# Altium PCB AutoinformerPCB.PcbDoc (part 1 of 2) (continued)
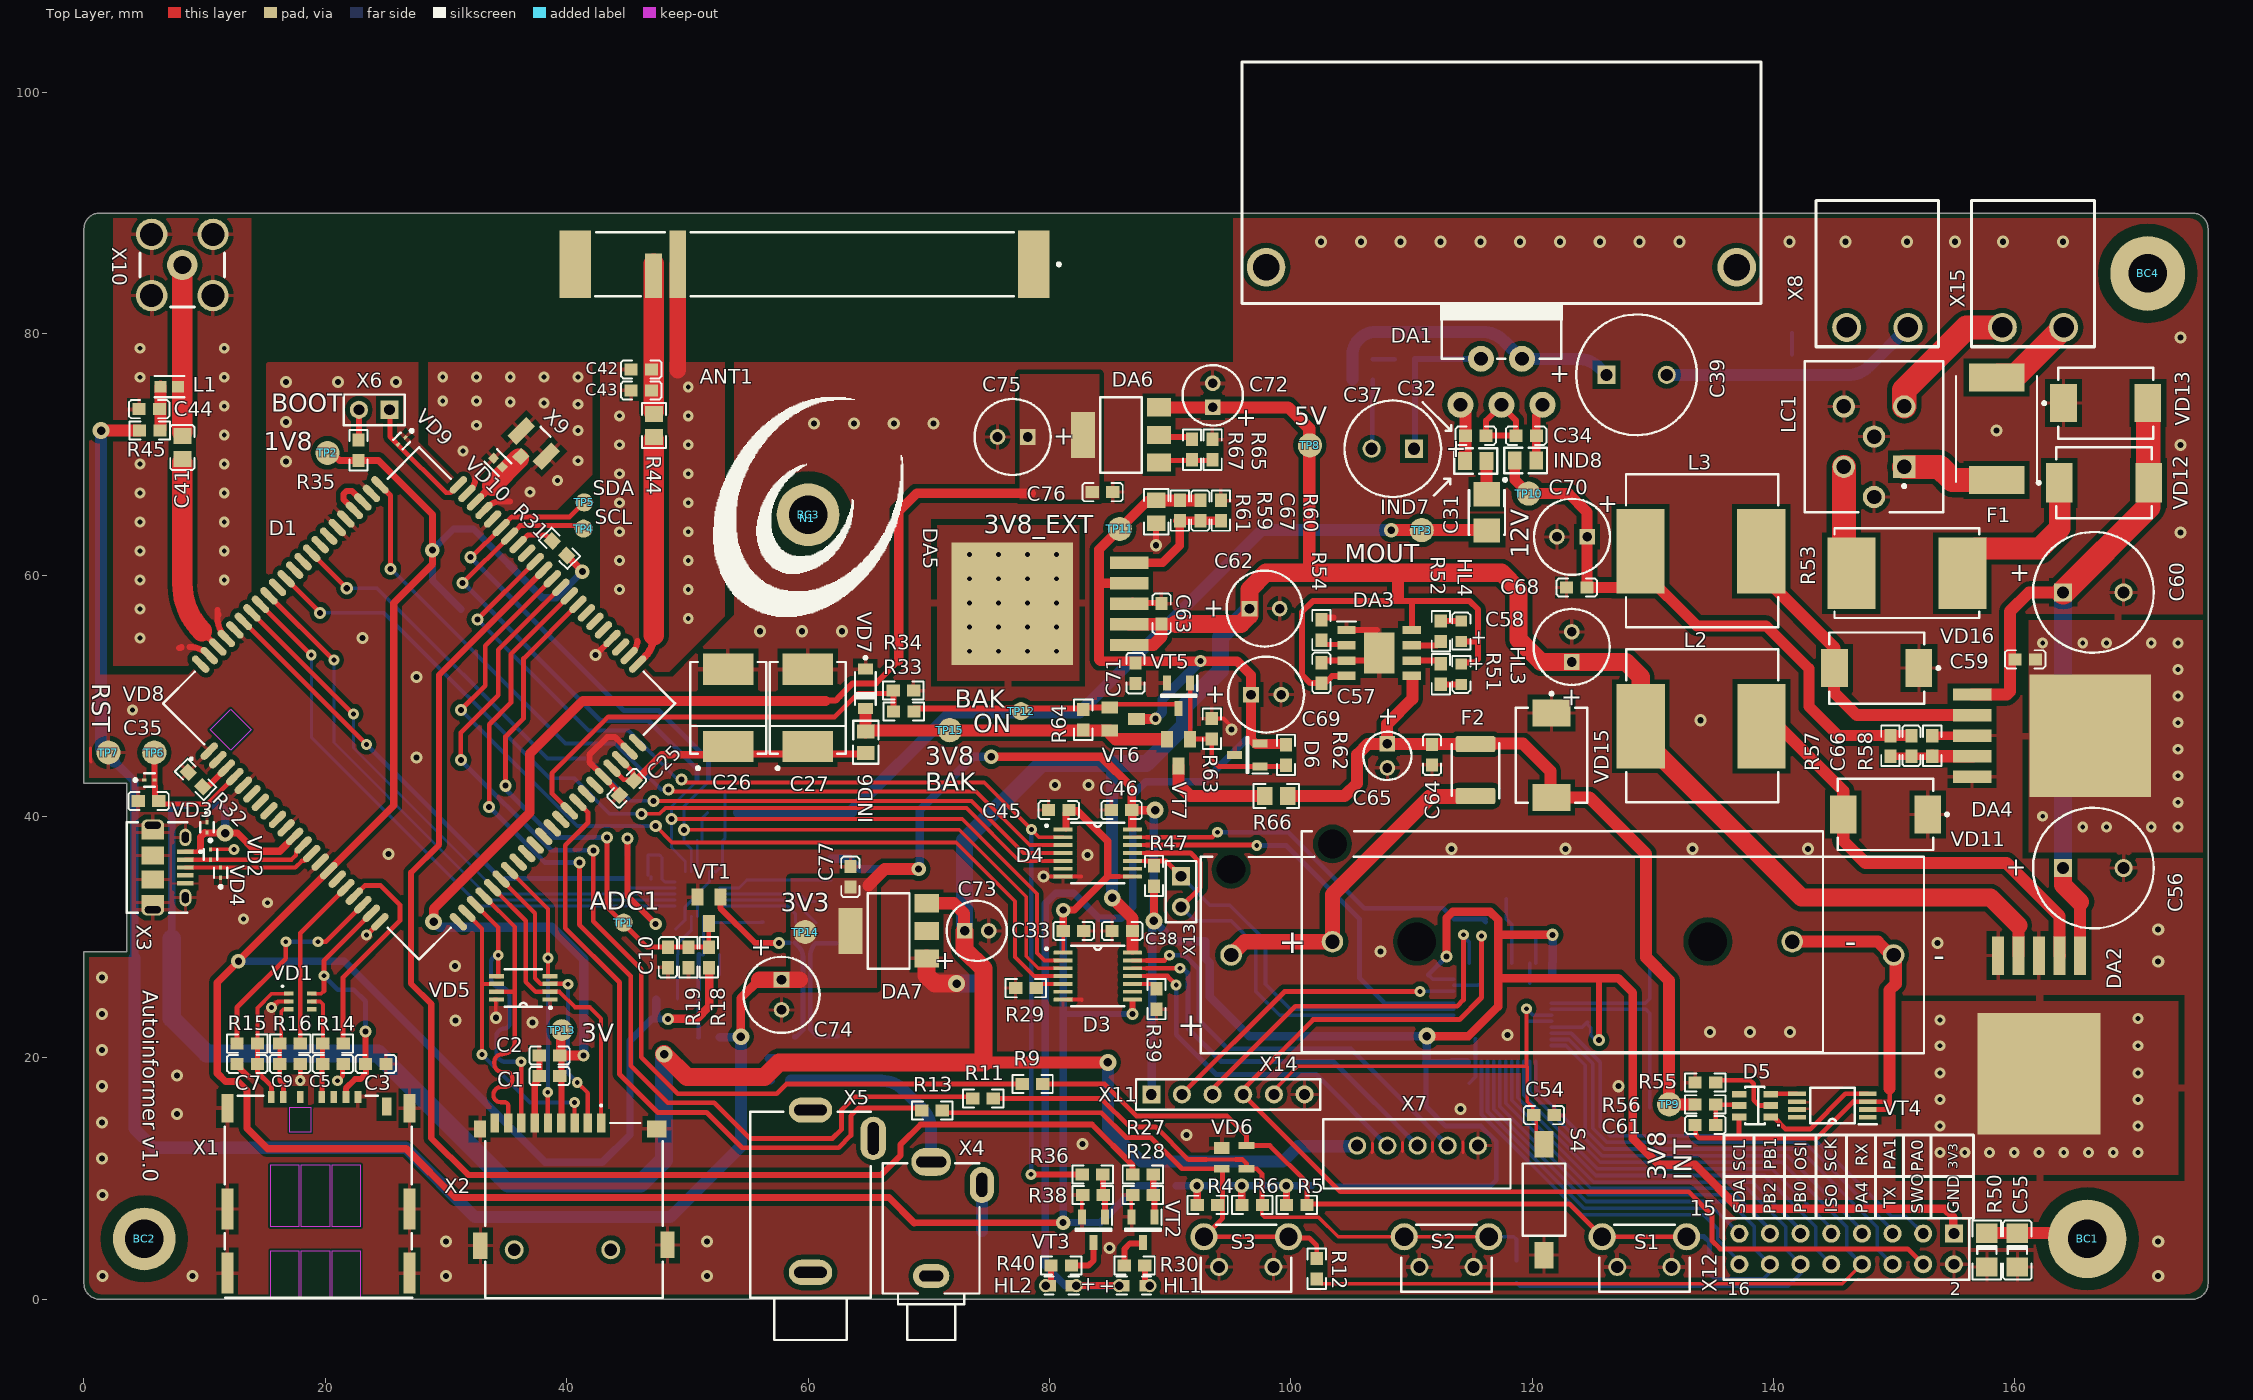
[diagram p0: Top Layer view]
## Components (designator, comment, footprint, x,y, rotation, side; value= is the part's Value field where it differs from the comment) (continued)
X8 "2EDGR-5.08-02P" 2EDGR-5.08-02P 148.6,80.525 r0 top
X9 "U_FL-R-SMT-1_10" HIROSE_0_MFG 37.275,70.9 r135 top
X10 "KLS1-SMA002-B" "SMA-FEMALE-RA - L-KLS1-SMA002-B" 8.15,85.7 r0 top
X11 "DS1021_1x6" PLD1X6 88.44,16.975 r0 top
X12 "DS1021_2x8" PLD2X8 154.94,5.44 r180 top
X13 "DS1021_1x2" PLD2 90.9,33.775 r270 top
X14 "Keystone 1029 [1028]" BAT_keystone1028+1029 122.5,28.525 r0 top
X15 "2EDGR-5.08-02P" 2EDGR-5.08-02P 161.5,80.525 r0 top
Y1 "HC49SM-8MHz" HC49SM 129.75,24.4 r90 bottom

## Footprints (in the part's own frame and the unit in brackets; to place one, negate y for a bottom-side part, rotate by r counter-clockwise, add the part's x,y. Pads: shape width x height; smd on the part's side, far side on the other; paste and mask are expansions set on the pad)
2EDGR-5.08-02P [mm]
  round 2.4 hole 1.7: 1(-2.54,0) 2(2.54,0)
  silkscreen extent -5.08,-1.6 5.08,10.5, body extent -5.08,-1.6 5.08,10.5, height 8.1
112JTDARR [mm]
  rect 0.7x1.6 smd: 1(2.25,0) 2(1.15,0) 3(0.05,0) 4(-1.05,0) 5(-2.15,0) 6(-3.25,0) 7(-4.35,0) 8(-5.45,0) 9(-6.55,0)
  rect 1x1.4 smd: 10(-7.8,-0.5)
  rect 1.2x2.2 smd: 11(-7.75,-10.16) 12(7.75,-10.1)
  rect 1.6x1.4 smd: 13(6.85,-0.5)
  round 1.575 hole 1.05: 14(-4.95,-10.5) 15(3.05,-10.5)
  silkscreen extent -7.35,-14.5 7.35,1.5, body extent -8.05,-14.5 8.05,0.5, height 1.85
1437566-3 [mm]
  rect 2.18x1.6 smd: 1(-4.6,0) 2(4.6,0)
  silkscreen extent -3,-1.75 3,1.75, body extent -5.54,-1.75 5.54,1.75, height 4.87
BAT_keystone1028+1029 [mm]
  round 0 hole 2.39 unplated mask+0.102: MH(-27.45,7.1) MH(-19.05,9.2)
  round 0 hole 3.2 unplated mask+0.102: MH(-12.05,1.1) MH(12.05,1.1)
  round 1.785 hole 1.19: NEG(19.05,1.1) NEG(27.45,0) POS(-27.45,0) POS(-19.05,1.1)
  silkscreen extent -29.97,-8.13 29.97,10.25, body extent -29.97,-8.13 29.97,10.29, height 18.2
BLM21PG221_0805 [mm]
  rect 1.14x1.47 smd: 1(-0.89,0) 2(0.89,0)
  silkscreen extent -1.78,-1.06 1.78,1.05, body extent -1.1,-0.72 1.11,0.72, height 1.04
body_connection_1#1 [mm]
  round 6.5 hole 3.2: 1(-0.025,-0.025)
body_connection_1#2 [mm]
  round 5.2 hole 3.2: 1(22.288,-14.353)
body_connection_1#3 [mm]
  round 5.2 hole 3.2: 1(84.963,45.647)
body_connection_1#4 [mm]
  round 6.2 hole 3.2: 1(203.664,65.647)
C_SMD0603 [mm]
  rect 1.1x1 smd: 1(-0.85,0) 2(0.85,0)
  silkscreen extent -1.68,-0.75 1.68,0.75, body extent -0.85,-0.45 0.85,0.45, height 0.9
C_SMD0805 [mm]
  rect 1.3x1.5 smd: 1(-0.95,0) 2(0.95,0)
  silkscreen extent -1.87,-1 1.88,1, body extent -1.05,-0.67 1.05,0.68, height 0.75
C_SMD1206 [mm]
  rect 1.6x1.8 smd: 1(-1.4,0) 2(1.4,0)
  silkscreen extent -2.45,-1.17 2.45,1.17, body extent -1.67,-0.87 1.68,0.88, height 1
"DO214AB SMC" [mm]
  rect 2.2x3.15 smd: 1(-3.5,0) 2(3.5,0)
  silkscreen extent -5.23,-2.95 3.95,2.95, body extent -4.06,-3.15 4.06,3.15, height 2.62
DS1069-5M [mm]
  round 1.5 hole 1: 1(-5,0) 2(-2.5,0) 3(0,0) 4(2.5,0) 5(5,0)
  silkscreen extent -7.7,-2.2 7.8,3.55, body extent -7.45,-2.2 7.55,3.55, height 7
ESD9L5_514AB [mm]
  rect 0.36x0.25 smd paste+0 mask+0: 1(-0.42,0) 2(0.42,0)
  silkscreen extent -1.3,-0.55 0.43,0.55, body extent -0.7,-0.43 0.7,0.43, height 0.25
FUSM8867X300N [mm]
  rect 2.3x4.6 smd: 1(-4.25,0) 2(4.25,0)
  silkscreen extent -4.38,-3.35 4.38,3.35, body extent -4.38,-3.35 4.37,3.36, height 2.99
FUSSC324X455X62L [mm]
  rrect25% 1.34x3.29 smd: 1(-2.15,0) 2(2.15,0)
  silkscreen extent -2.21,-1.95 2.35,1.96, body extent -2.27,-1.62 2.27,1.62, height 1.25
HC49SM [mm]
  rect 5.5x2 smd: 1(-4.75,0) 2(4.75,0)
  silkscreen extent -5.85,-2.5 5.85,2.5, body extent -6.2,-2.35 6.2,2.35, height 3.8
HIROSE_0_MFG [mm]
  rect 1x1.05 smd paste-1000 mask+0: 1(0,1.525)
  rect 1.05x2.2 smd paste-1000 mask+0: 2(-1.475,0) 3(1.475,0)
  silkscreen extent -0.58,-1.38 0.58,-1.38, body extent -2.1,-1.47 2.1,2.15, height 0.25
IC_SIM7600E-H [mm]
  oval 1.8x0.6 smd: 1(-15.1,9.5) 2(-15.1,8.5) 3(-15.1,7.5) 4(-15.1,6.5) 5(-15.1,5.5) 6(-15.1,4.5) 7(-15.1,3.5) 8(-15.1,2.5) 9(-15.1,1.5) 10(-15.1,0.5) 11(-15.1,-0.5) 12(-15.1,-1.5) 13(-15.1,-2.5) 14(-15.1,-3.5) 15(-15.1,-4.5) 16(-15.1,-5.5) 17(-15.1,-6.5) 18(-15.1,-7.5) 19(-15.1,-8.5) 20(-15.1,-9.5) 41(15.1,-9.5) 42(15.1,-8.5) 43(15.1,-7.5) 44(15.1,-6.5) 45(15.1,-5.5) 46(15.1,-4.5) 47(15.1,-3.5) 48(15.1,-2.5) 49(15.1,-1.5) 50(15.1,-0.5) 51(15.1,0.5) 52(15.1,1.5) 53(15.1,2.5) 54(15.1,3.5) 55(15.1,4.5) 56(15.1,5.5) 57(15.1,6.5) 58(15.1,7.5) 59(15.1,8.5) 60(15.1,9.5) 81(-15.1,-10.5) 82(15.1,-10.5) 85(15.1,10.5)
  oval 0.6x1.8 smd: 21(-9.5,-15.1) 22(-8.5,-15.1) 23(-7.5,-15.1) 24(-6.5,-15.1) 25(-5.5,-15.1) 26(-4.5,-15.1) 27(-3.5,-15.1) 28(-2.5,-15.1) 29(-1.5,-15.1) 30(-0.5,-15.1) 31(0.5,-15.1) 32(1.5,-15.1) 33(2.5,-15.1) 34(3.5,-15.1) 35(4.5,-15.1) 36(5.5,-15.1) 37(6.5,-15.1) 38(7.5,-15.1) 39(8.5,-15.1) 40(9.5,-15.1) 61(9.5,15.1) 62(8.5,15.1) 63(7.5,15.1) 64(6.5,15.1) 65(5.5,15.1) 66(4.5,15.1) 67(3.5,15.1) 68(2.5,15.1) 69(1.5,15.1) 70(0.5,15.1) 71(-0.5,15.1) 72(-1.5,15.1) 73(-2.5,15.1) 74(-3.5,15.1) 75(-4.5,15.1) 76(-5.5,15.1) 77(-6.5,15.1) 78(-7.5,15.1) 79(-8.5,15.1) 80(-9.5,15.1) 83(10.5,-15.1) 84(-10.5,-15.1) 86(-10.5,15.1) 87(10.5,15.1)
  Keep-Out Layer region: -11.4,8.3 -13.8,8.3 -13.8,10.7 -11.4,10.7
  Keep-Out Layer region: -11.4,8.3 -13.8,8.3 -13.8,10.7 -11.4,10.7
  silkscreen extent -16.7,-15 15,15, body extent -15,-15 15,15, height 2.9
"K50-35 5x11x2" [mm]
  rect 1.3x1.3 hole 0.8: 1(1,0)
  round 1.3 hole 0.8: 2(-1,0)
  silkscreen extent -2.5,-2.5 2.5,2.5, body extent -2.53,-2.53 2.53,2.53, height 11.53
"K50-35 6.3x11x2.5" [mm]
  rect 1.3x1.3 hole 0.8: 1(1.25,0)
  round 1.3 hole 0.8: 2(-1.25,0)
  silkscreen extent -3.15,-3.15 3.15,3.15, body extent -3.18,-3.18 3.18,3.18, height 11.53
"K50-35 8x11.5x3.5" [mm]
  rect 1.5x1.5 hole 1: 1(1.75,0)
  round 1.5 hole 1: 2(-1.75,0)
  silkscreen extent -4,-4 4,4, body extent -4.03,-4 4.03,4.05, height 12.03
"K50-35 10x12.5x5" [mm] "ECAP"
  rect 1.5x1.5 hole 1: 1(2.5,0)
  round 1.5 hole 1: 2(-2.5,0)
  silkscreen extent -5,-5 5,5, body extent -5,-5 5,5, height 12.5
"K50-35mini 4x7x2" [mm] "ECAP"
  rect 1.3x1.3 hole 0.8: 1(1,0)
  round 1.3 hole 0.8: 2(-1,0)
  silkscreen extent -2,-2 2,2, body extent -2.53,-2.53 2.53,2.53, height 11.53
"KLS7-TS6606 -7.0" [mm]
  round 1.5 hole 1: 1(-2.25,-0.725) 2(2.25,-0.725)
  round 2.25 hole 1.5: 3(-3.5,1.775) 4(3.5,1.775)
  silkscreen extent -3.75,-2.78 3.75,2.78, body extent -4.2,-6.45 4.2,3.3, height 7
L0603 [mm]
  rect 1.006x0.958 smd paste+0 mask+0: 1(-0.726,0) 2(0.726,0)
  silkscreen extent -1.23,-0.88 1.23,0.88, body extent -1.48,-0.73 1.48,0.73, height 0.25
LED_SMD1608 [mm]
  rect 0.9x0.95 smd: 1(-0.85,0) 2(0.85,0)
  silkscreen extent -1.5,-0.75 1.55,0.75, body extent -0.85,-0.45 0.85,0.45, height 0.9
"LED_SMD1608 + THR0254" [mm]
  round 1.1 hole 0.7: 1(-1.27,0) 2(1.27,0)
  rect 0.9x0.95 smd: 1(-0.85,0) 2(0.85,0)
  silkscreen extent -1.5,-0.75 1.35,0.75, body extent -1.77,-1.75 1.87,1.89, height 12.06
LED_SMD1608GREEN [mm]
  rect 0.9x0.95 smd: 1(-0.85,0) 2(0.85,0)
  silkscreen extent -1.5,-0.75 1.55,0.75, body extent -0.85,-0.45 0.85,0.45, height 0.9
LOGO_SS [mm]
  silkscreen extent -7.79,-8.13 7.98,10
LQFP48_N [mm] "QFP, 48-Leads, Body 7x7mm, Pitch 0.5mm, IPC Medium Density"
  oval 1.8x0.3 smd: 1(-4.05,2.75) 2(-4.05,2.25) 3(-4.05,1.75) 4(-4.05,1.25) 5(-4.05,0.75) 6(-4.05,0.25) 7(-4.05,-0.25) 8(-4.05,-0.75) 9(-4.05,-1.25) 10(-4.05,-1.75) 11(-4.05,-2.25) 12(-4.05,-2.75) 25(4.05,-2.75) 26(4.05,-2.25) 27(4.05,-1.75) 28(4.05,-1.25) 29(4.05,-0.75) 30(4.05,-0.25) 31(4.05,0.25) 32(4.05,0.75) 33(4.05,1.25) 34(4.05,1.75) 35(4.05,2.25) 36(4.05,2.75)
  oval 0.3x1.8 smd: 13(-2.75,-4.05) 14(-2.25,-4.05) 15(-1.75,-4.05) 16(-1.25,-4.05) 17(-0.75,-4.05) 18(-0.25,-4.05) 19(0.25,-4.05) 20(0.75,-4.05) 21(1.25,-4.05) 22(1.75,-4.05) 23(2.25,-4.05) 24(2.75,-4.05) 37(2.75,4.05) 38(2.25,4.05) 39(1.75,4.05) 40(1.25,4.05) 41(0.75,4.05) 42(0.25,4.05) 43(-0.25,4.05) 44(-0.75,4.05) 45(-1.25,4.05) 46(-1.75,4.05) 47(-2.25,4.05) 48(-2.75,4.05)
  silkscreen extent -5.22,-2.75 2.75,3.45, body extent -4.51,-4.51 4.51,4.51, height 1.5
Molex_146200-0011_MFG [mm] "LTE SMT ANTENNA"
  rect 2.6x5.6 smd paste+0 mask+0: 1(19,0) 4(-19,0)
  rect 1.4x5.6 smd paste+0 mask+0: 2(-10.5,0)
  rect 1.4x3.72 smd paste+0 mask+0: 3(-12.5,-0.94)
  silkscreen extent -17.32,-2.65 21.2,2.65, body extent -20,-2.53 20,2.53, height 5.36
"MOLEX_1050170001 - compact" [mm]
  rect 0.35x1.35 smd mask+0.055: 1(-1.3,2.35) 2(-0.65,2.35) 3(0,2.35) 4(0.65,2.35) 5(1.3,2.35)
  oval 1.45x1 hole 0.6 slot 0.9 at 0 deg mask+0.07: SH1(-2.5,2.35) SH2(2.5,2.35)
  oval 0.95x1.9 hole 0.6 slot 1.3 at 90 deg: SH4(-3.5,-0.35) SH7(3.5,-0.35)
  rect 1.2x1.9 smd: SH4(-2.9,-0.35) SH7(2.9,-0.35)
  rect 1.5x1.9 smd: SH5(-1,-0.35) SH6(1,-0.35)
  silkscreen extent -3.75,-2.5 3.75,3.7, body extent -4.1,-2.93 4.1,2.5, height 2.63
MOLEX_uSIM_5039600696 [mm]
  rect 0.55x1 smd: C1(5.765,0.25) C2(7.765,0.25) C3(11.955,0.25) C5(4.765,0.25) C6(6.765,0.25) C7(10.955,0.25) CD(9.55,0.25)
  rect 0.8x1.5 smd: CDL(2.4,1.07)
  rect 1x3.4 smd: SHLD(0.5,14.85) SHLD(0.5,9.55) SHLD(15.6,14.85) SHLD(15.6,9.55)
  rect 1x2.4 smd: SHLD(0.5,1.2) SHLD(15.6,1.2)
  Keep-Out Layer region: 12,5.9 9.66,5.9 9.66,11 12,11
  Keep-Out Layer region: 9.46,5.9 7.12,5.9 7.12,11 9.46,11
  Keep-Out Layer region: 6.92,5.9 4.58,5.9 4.58,11 6.92,11
  Keep-Out Layer region: 6.92,13 4.58,13 4.58,16.9 6.92,16.9
  Keep-Out Layer region: 9.46,13 7.12,13 7.12,16.9 9.46,16.9
  Keep-Out Layer region: 12,13 9.66,13 9.66,16.9 12,16.9
  Keep-Out Layer region: 10.425,1.12 8.675,1.12 8.675,3.17 10.425,3.17
  silkscreen extent 0.28,0.15 15.83,16.9, body extent 0.31,0.15 15.81,16.9, height 1.4
Murata_BNX_L12MM5_W11MM5_T13MM0_MFG [mm]
  rect 1.85x1.85 hole 1.2 paste-1000 mask+0: 1(2.5,2.5)
  round 1.85 hole 1.2 paste-1000 mask+0: 2(2.5,-2.5) 3(-2.5,2.5) 4(-2.5,-2.5) 5(0,0) 6(5,0)
  silkscreen extent -6.25,-5.75 6.25,5.75, body extent -6.35,-5.85 6.35,5.85, height 0.25
Murata_LXES15_IPC_A [mm]
  rect 0.665x0.672 smd paste+0 mask+0: 1(-0.504,0) 2(0.504,0)
  silkscreen extent -0.84,-0.74 0.84,0.74, body extent -0.5,-0.25 0.5,0.25, height 0.33
NAU8810YG [mm]
  rect 0.81x0.239 smd paste+0 mask+0: 1(-1.851,1)
  oval 0.81x0.239 smd paste+0 mask+0: 2(-1.851,0.5) 3(-1.851,0) 4(-1.851,-0.5) 5(-1.851,-1) 11(1.851,-1) 12(1.851,-0.5) 13(1.851,0) 14(1.851,0.5) 15(1.851,1)
  oval 0.239x0.81 smd paste+0 mask+0: 6(-1,-1.851) 7(-0.5,-1.851) 8(0,-1.851) 9(0.5,-1.851) 10(1,-1.851) 16(1,1.851) 17(0.5,1.851) 18(0,1.851) 19(-0.5,1.851) 20(-1,1.851)
  rect 2.1x2.1 smd paste-1000 mask+0: 21(0,0)
  silkscreen extent -2.98,-2 2,2, body extent -2.02,-2.02 2.02,2.02, height 0.75
PLD1X6 [mm]
  rect 1.5x1.5 hole 0.9: 1(0,0)
  round 1.5 hole 0.9: 2(2.54,0) 3(5.08,0) 4(7.62,0) 5(10.16,0) 6(12.7,0)
  silkscreen extent -1.27,-1.27 14,1.27, body extent -1.25,-1.27 13.99,1.27, height 8.54
PLD2 [mm]
  rect 1.5x1.5 hole 0.9: 1(-1.27,0)
  round 1.5 hole 0.9: 2(1.27,0)
  silkscreen extent -2.54,-1.27 2.54,1.27, body extent -2.5,-1.26 2.5,1.28, height 8.5
PLD2X8 [mm]
  rect 1.5x1.5 hole 0.9: 1(0,0)
  round 1.5 hole 0.9: 2(0,2.54) 3(2.54,0) 4(2.54,2.54) 5(5.08,0) 6(5.08,2.54) 7(7.62,0) 8(7.62,2.54) 9(10.16,0) 10(10.16,2.54) 11(12.7,0) 12(12.7,2.54) 13(15.24,0) 14(15.24,2.54) 15(17.78,0) 16(17.78,2.54)
  silkscreen extent -1.27,-1.27 19.05,3.81, body extent -1.27,-1.23 19.05,3.77, height 8.6
"PY-401N - compact" [mm] "2.5mm mono jack"
  oval 3x2 hole 0.9 slot 2 at 0 deg: 1(4,9.35)
  oval 3.3x2.3 hole 0.9 slot 2.5 at 0 deg: 2(4,-0.1)
  oval 2x3 hole 0.9 slot 2 at 90 deg: 3(-0.2,1.8)
  silkscreen extent 0,0 8,14.65, body extent -0.4,-0.2 8,14.65, height 9
"PY-601N - compact" [mm] "miniJACK 3.5mm"
  oval 3.6x2.1 hole 0.9 slot 2.7 at 0 deg: 1(5,13.3) 2(5,-0.15)
  oval 2.1x3.6 hole 0.9 slot 2.7 at 90 deg: 3(-0.2,2.2)
  silkscreen extent 0,0 10,18.9, body extent -0.4,-0.3 10,18.9, height 10
R_SMD0603 [mm]
  rect 1.1x1 smd: 1(-0.85,0) 2(0.85,0)
  silkscreen extent -1.68,-0.75 1.68,0.75, body extent -0.82,-0.4 0.78,0.4, height 0.45
R_SMD0805 [mm]
  rect 1.3x1.5 smd: 1(-0.95,0) 2(0.95,0)
  silkscreen extent -1.88,-1 1.88,1, body extent -0.97,-0.6 1.03,0.65, height 0.55
R_SMD1206 [mm]
  rect 1.6x1.8 smd: 1(-1.4,0) 2(1.4,0)
  silkscreen extent -2.45,-1.17 2.45,1.17, body extent -2.24,-0.8 2.3,0.8, height 1.25
R_SMD4527 [mm]
  rect 4x5.9 smd: 1(-4.6,0) 2(4.6,0)
  silkscreen extent -6,-3.7 6,3.75, body extent -5.73,-3.5 5.75,3.5, height 2.35
"SMA-FEMALE-RA - L-KLS1-SMA002-B" [mm] "SMA connector"
  round 2.524 hole 1.5: 1(0,0)
  round 2.6 hole 1.9: G(-2.54,-2.54) G(-2.54,2.54) G(2.54,-2.54) G(2.54,2.54)
  silkscreen extent -3.5,-3.5 3.5,1, body extent -3.5,-3.5 3.5,11, height 9.9
SMC [mm]
  rect 2.2x3.3 smd: A(3.7,0) C(-3.7,0)
  silkscreen extent -3.95,-2.95 5.52,2.95, body extent -4.05,-3.12 4.06,3.1, height 2.92
SMF05C [mm]
  rect 0.35x0.8 smd paste-1 mask+0.052: 1(-0.65,-0.95) 2(0,-0.95) 3(0.65,-0.95) 4(0.65,0.95) 5(0,0.95) 6(-0.65,0.95)
  silkscreen extent -1.26,-1.53 -1.26,-1.44, body extent -1.05,-1.05 1.05,1.05, height 1.09
SOD-123_3716X135N [mm]
  rect 0.91x1.22 smd: A(1.635,0) C(-1.635,0)
  silkscreen extent -1.35,-0.86 2.67,0.86, body extent -1.85,-0.8 1.85,0.8, height 1.25
SOD-323 [mm]
  rect 1.11x0.52 smd: 1(-1.165,0) 2(1.165,0)
  silkscreen extent -2.3,-0.62 0.82,0.62, body extent -1.25,-0.63 1.25,0.62, height 0.9
SOIC127P600X175-9N [mm]
  rect 1.525x0.7 smd: 1(-2.712,1.905) 2(-2.712,0.635) 3(-2.712,-0.635) 4(-2.712,-1.905) 5(2.712,-1.905) 6(2.712,-0.635) 7(2.712,0.635) 8(2.712,1.905)
  rect 2.513x3.402 smd: 9(0,0)
  silkscreen extent -3.47,2.61 -1.95,2.61, body extent -3,-2.45 3,2.45, height 1.75
SOP65P490X110-8N [mil]
  rect 49x14 smd mask+2.36: 1(-87,38) 2(-87,13) 3(-87,-13) 4(-87,-38) 5(87,-38) 6(87,-13) 7(87,13) 8(87,38)
  silkscreen extent -93,-61 61,69, body extent -96,-59 96,59, height 38
SOP65P640X120-8N [mm]
  rect 1.475x0.38 smd mask+0.055: 1(-2.938,0.975) 2(-2.938,0.325) 3(-2.938,-0.325) 4(-2.938,-0.975) 5(2.938,-0.975) 6(2.938,-0.325) 7(2.938,0.325) 8(2.938,0.975)
  silkscreen extent -3.67,-1.47 1.85,1.55, body extent -3.2,-1.47 3.2,1.47, height 1.2
SOP65P640X120-14N [mm]
  rrect25% 1.57x0.32 smd mask+0.07: 1(-2.87,1.95) 2(-2.87,1.3) 3(-2.87,0.65) 4(-2.87,0) 5(-2.87,-0.65) 6(-2.87,-1.3) 7(-2.87,-1.95) 8(2.87,-1.95) 9(2.87,-1.3) 10(2.87,-0.65) 11(2.87,0) 12(2.87,0.65) 13(2.87,1.3) 14(2.87,1.95)
  silkscreen extent -4.34,-2.5 2.2,2.5, body extent -3.25,-2.55 3.15,2.55, height 1.2
SOT23 [mm]
  rect 1x1.4 smd: 1(-0.95,-1.1) 2(0.95,-1.1) 3(0,1.1)
  body extent -1.46,-1.17 1.46,1.17, height 1
SOT23-3 [mm]
  rect 1.25x0.65 smd: 1(-1.05,0.96) 2(-1.05,-0.96) 3(1.05,0)
  silkscreen extent -1.68,-1.46 0.08,1.54, body extent -1.18,-1.46 1.18,1.46, height 1.12
SOT23-6-D [mm]
  rect 0.55x1.2 smd: 1(-0.95,-1.3) 2(0,-1.3) 3(0.95,-1.3) 4(0.95,1.3) 5(0,1.3) 6(-0.95,1.3)
  silkscreen extent -1.55,-0.81 1.57,0.81, body extent -1.4,-1.3 1.4,1.13, height 1.09
SOT223 [mil]
  rect 59x79 smd: 1(-89,-124) 2(1,-124) 3(91,-124)
  rect 150x79 smd: 4(0,124)
  silkscreen extent -123,-68 123,68, body extent -128,-136 128,136, height 64
SP0503BAHTG [mm]
  rect 1.3x0.99 smd: 1(-1.025,0.76)
  rect 1.3x0.59 smd: 2(-1.025,-0.96) 3(1.025,-0.96) 4(1.025,0.96)
  body extent -1.18,-1.45 1.18,1.45, height 1.22
SRR1208 [mm]
  rect 4x7 smd: 1(-5,0) 2(5,0)
  silkscreen extent -6.4,-6.4 6.2,6.3, body extent -6.55,-6.45 6.35,6.45, height 8.5
"TDA2003V _HS-117-30 (ABM-161-30)" [mm] "Pentawatt V"
  round 2.159 hole 1.15: 1(-3.4,-8.405) 2(-1.7,-4.595) 3(0,-8.405) 4(1.7,-4.595) 5(3.4,-8.405)
  round 3.2 hole 2.2: 19(-19.5,3) 20(19.5,3)
  silkscreen extent -21.5,-4.59 21.5,20, body extent -21.5,-8.58 21.5,20, height 30
TECAP_B [mm]
  rect 2x2.2 smd: 1(-1.5,0) 2(1.5,0)
  silkscreen extent -2.82,-1.5 1.85,1.63, body extent -1.81,-1.45 1.88,1.37, height 2.09
TECAP_E [mm]
  rect 2.6x4.2 smd: 1(-3.2,0) 2(3.2,0)
  silkscreen extent -5.12,-3.15 3.8,3.15, body extent -3.65,-3 3.65,3, height 3.6
TEST_POINT#1 [mm]
  round 1.5 smd: 1(0,0)
TEST_POINT#2 [mm]
  round 2 smd: 1(0,0)
TEST_POINT#3 [mm]
  round 1.8 smd: 1(0,0)
TO263-5 [mm] "D2PAK"
  rect 1.016x3.2 smd: 1(-3.481,-9.211) 2(-1.779,-9.211) 3(-0.077,-9.211) 4(1.625,-9.211) 5(3.327,-9.211)
  rect 10.16x10.1 smd: 6(-0.077,0.583)
  body extent -5.01,-10.06 4.81,4.54, height 4.22
"TO263-5 - heatsink" [mm] "D2PAK"
  rect 1.016x3.2 smd: 1(-3.481,-9.211) 2(-1.779,-9.211) 3(-0.077,-9.211) 4(1.625,-9.211) 5(3.327,-9.211)
  round 1 hole 0.4: 6(-4,-3.175) 6(-4,-0.775) 6(-4,1.625) 6(-4,4.025) 6(-2,4.025) 6(-2,-0.775) 6(-2,1.625) 6(-2,-3.175) 6(0,4.025) 6(0,1.625) 6(0,-0.775) 6(0,-3.175) 6(2,4.025) 6(2,-0.775) 6(2,1.625) 6(2,-3.175) 6(4,-3.175) 6(4,-0.775) 6(4,1.625) 6(4,4.025)
  rect 10.16x10.1 smd: 6(-0.077,0.483)
  body extent -5.01,-10.06 4.81,4.54, height 4.22

## Part data
ANT1: library part 146200-0001(11), "LTE Cellular Ceramic Antenna 698MHz-2.7GHz , SMT", ComponentLink1Description=elitan, ComponentLink1URL=https://www.elitan.ru/price/item17428368
BC1 BC2 BC3 BC4: library part BodyConnector
C1 C2 C3 C4 C5 C6 C7 C8 C9 C10 C11 C12 C13 C14 C15 C16 C17 C18 C19 C20 C21 C22 C23 C24 C25 C28 C29 C32 C33 C34 C35 C36 C38 C40 C42 C43 C44 C45 C46 C47 C48 C49 C50 C51 C52 C53 C54 C57 C59 C61 C63 C64 C66 C67 C68 C71 C76 C77: library part C_SMD, "0603 SMD Capacitor"
  C1 C11 C12 C13 C24 C28: ComponentLink1Description=chipdip, ComponentLink1URL=https://www.chipdip.ru/product/grm188r60j475ke19d
  C2 C3 C8 C14 C15 C16 C32 C33 C34 C35 C38 C40 C45 C46 C47 C48 C49 C52 C53 C54 C59 C61 C66 C67 C68 C71 C76 C77: ComponentLink1Description=chipdip, ComponentLink1URL=https://www.chipdip.ru/product0/226236018
  C4 C6 C17 C18 C29: ComponentLink1Description=chipdip, ComponentLink1URL=https://www.chipdip.ru/product0/670139747
  C5 C7 C9 C50 C51: ComponentLink1Description=chipdip, ComponentLink1URL=https://www.chipdip.ru/product/grm1885c1h220j
  C10: ComponentLink1Description=chipdip, ComponentLink1URL=https://www.chipdip.ru/product0/9000143994
  C19 C20 C44: ComponentLink1Description=chipdip, ComponentLink1URL=https://www.chipdip.ru/product0/565764982
  C21: ComponentLink1Description=chipdip, ComponentLink1URL=https://www.chipdip.ru/product0/305749128
  C22 C23 C25 C63: ComponentLink1Description=chipdip, ComponentLink1URL=https://www.chipdip.ru/product/grm188r71e105ka12d
  C36: ComponentLink1Description=chipdip, ComponentLink1URL=https://www.chipdip.ru/product0/8160066189?from=suggest_product, ComponentLink2Description=elitan, ComponentLink2URL=https://www.elitan.ru/price/item8778633
  C57 C64: ComponentLink1Description=chipdip, ComponentLink1URL=https://www.chipdip.ru/product/grm188r60j106me47d
C26 C27: library part C_SMD_Tantalum, "Конденсатор танталовый SMD тип Е", ComponentLink1Description=470uF-10V-chipdip, ComponentLink1URL=https://www.chipdip.ru/product0/145634327?from=suggest_product
C30 C55: library part C_SMD, "1206 SMD Capacitor"
  C30: ComponentLink1Description=chipdip, ComponentLink1URL=https://www.chipdip.ru/product0/959523971
  C55: ComponentLink1Description=elitan, ComponentLink1URL=https://www.elitan.ru/price/item16896874
C31: library part C_SMD_Tantalum, "Конденсатор танталовый SMD 10uF 10V тип B", ComponentLink1Description=chipdip, ComponentLink1URL=https://www.chipdip.ru/product0/146061461?from=suggest_product
C37: library part K50-35, "Конденсатор электролитический алюминиевый 470мкФ, 16В", ComponentLink1Description=chipdip, ComponentLink1URL=https://www.chipdip.ru/product0/9000565914
C39: library part K50-35, "Конденсатор электролитический алюминиевый 1000мкФ, 16В", ComponentLink1Description=chipdip, ComponentLink1URL=https://www.chipdip.ru/product0/9000565923?from=suggest_product
C41: library part C_SMD, "0805 SMD Capacitor", ComponentLink1Description=chipdip, ComponentLink1URL=https://www.chipdip.ru/product0/29844
C56 C58 C60 C62 C65 C69 C70 C72 C73 C74 C75: library part K50-35, "Конденсатор электролитический алюминиевый"
  C56 C60: ComponentLink1Description=chipdip, ComponentLink1URL=https://www.chipdip.ru/product0/9000565903
  C58 C70: ComponentLink1Description=chipdip, ComponentLink1URL=https://www.chipdip.ru/product0/9000565899
  C62: ComponentLink1Description=chipdip, ComponentLink1URL=https://www.chipdip.ru/product0/9000565888
  C65: ComponentLink1Description="(К50-35 мини), 33 мкФ, 6.3 В, 4х7мм", ComponentLink1URL=https://www.chipdip.ru/product0/9000261769
  C69 C74 C75: ComponentLink1Description="(К50-35 мини), 220 мкФ, 6.3 В, 6.3х7мм", ComponentLink1URL=https://www.chipdip.ru/product0/9000261774?from=suggest_product
  C72 C73: ComponentLink1Description=chipdip-mini, ComponentLink1URL=https://www.chipdip.ru/product0/46079?from=suggest_product, ComponentLink2Description=chipdip, ComponentLink2URL=https://www.chipdip.ru/product0/9000565886
D1: "Multi-Band LTE-TDD/LTE-FDD/HSPA+ and GSM/GPRS/EDGE module", Package=None, Availability=Unavailable, ComponentLink1Description=mt-systems, ComponentLink1URL=http://www.mt-system.ru/SIMCom/SIM7600E-H, MF=Simcom, MP=SIM7600E-H, Price=None, SnapEDA_Link=https://www.snapeda.com/parts/SIM7600E-H/SIMcom%20Wireless%20solutions%20Co.%2CLtd/view-part/2758290/?ref=snap
D2: "AUDIO CODEC MONO 20QFN", Digikey Part Number=NAU8810YG-ND, Manufacturer="Nuvoton Technology Corporation", Package=QFN20, Temperature="-40°C to +85°C", Temperature Range High=+85°C, Temperature Range Low=-40°C, Voltage=3.6V, ComponentLink1Description=Upverter, ComponentLink1URL=https://upverter.com/upn/revision/eec1ccdac07fe113/, ComponentLink2Description=Datasheet, ComponentLink2URL=http://www.nuvoton.com/hq/resource-download.jsp?tp_GUID=DA00-NAU8810.1, ComponentLink3Description=elitan, ComponentLink3URL=https://www.elitan.ru/price/index.php?find=NAU8810YG&delay=-1&mfg=all&seenform=y, Digikey Description="IC AUDIO CODEC MONO 20QFN", helpURL=https://upverter.com/upn/revision/eec1ccdac07fe113/, Ipc Land Pattern Name=QFN50P400X400X75-20, Lead Free=yes, RoHS=TRUE, Supplier 1=Digi-Key, Supplier 2=Mouser, Supplier Part Number 1=NAU8810YG-ND
D3 D4: "4-Bit Bidirectional Voltage-Level Shifter with Auto Direction Sensing and +/-15 kV ESD Protect 14-TSSOP -40 to 85", Package="TSSOP-14 Texas Instruments", Availability=Unavailable, ComponentLink1Description=elitan, ComponentLink1URL=https://www.elitan.ru/price/item703962, MF="Texas Instruments", MP=TXB0104PWR, Price=None, SnapEDA_Link=https://www.snapeda.com/parts/TXB0104PWR/Texas%20Instruments/view-part/1077120/?ref=snap, Texas_Instruments-Purchase-URL=https://snapeda.com/shop?store=Texas+Instruments&id=1077120
D5: "Pushbutton Switch SPST-NC Standard Panel Mount, Front", Package="Package Analog Devices", Availability=Unavailable, ComponentLink1Description=elitan, ComponentLink1URL=https://www.elitan.ru/price/item379006536, ComponentLink2Description=electronshik, ComponentLink2URL=https://www.electronshik.ru/item/FUMAN/DW01A, MF="Fortune Semiconductor", MP=DW01A, Price=None, SnapEDA_Link=https://www.snapeda.com/parts/DW01A/Fortune%20Semiconductor/view-part/4388554/?ref=snap
D6: "3.15 V 150 ms Microcontroller Supervisory Circuit - SOT-23-3", Package="SOT-23 Microchip", Availability=Unavailable, ComponentLink1Description=chipdip, ComponentLink1URL=https://www.chipdip.ru/product0/8002395837, ComponentLink2Description=elitan, ComponentLink2URL=https://www.elitan.ru/price/item505437, MF=Microchip, MP=MCP130T-315I/TT, Price=None, SnapEDA_Link=https://www.snapeda.com/parts/MCP130T-315I/TT/Microchip/view-part/12206/?ref=snap
DA1: "Amplifier IC 1-Channel _Mono_ Class AB 5-PENTAWATT 10W", Package="Pentawatt-5 STMicroelectronics", Availability=Unavailable, ComponentLink1Description=elitan, ComponentLink1URL=https://www.elitan.ru/price/item123031, ComponentLink2Description=chipdip, ComponentLink2URL=https://www.chipdip.ru/product/tda2003v?from=suggest_product, ComponentLink3Description=chipdip-radiator, ComponentLink3URL=https://www.chipdip.ru/product/hs-117-30, MF=STMicroelectronics, MP=TDA2003V, Price=None, SnapEDA_Link=https://www.snapeda.com/parts/TDA2003V/STMicroelectronics/view-part/39407/?ref=snap
DA2: library part LM2576S, "Импульсный понижающий регулятор напряжения, 5В, 3А, [TO-263]", ComponentLink1Description=5V-chipdip, ComponentLink1URL=https://www.chipdip.ru/product/lm2576sx-5.0-nopb, ComponentLink2Description=5V-elitan, ComponentLink2URL=https://www.elitan.ru/price/item100181